# Altium PCB board_ordered.PcbDoc (part 1 of 2) (continued)
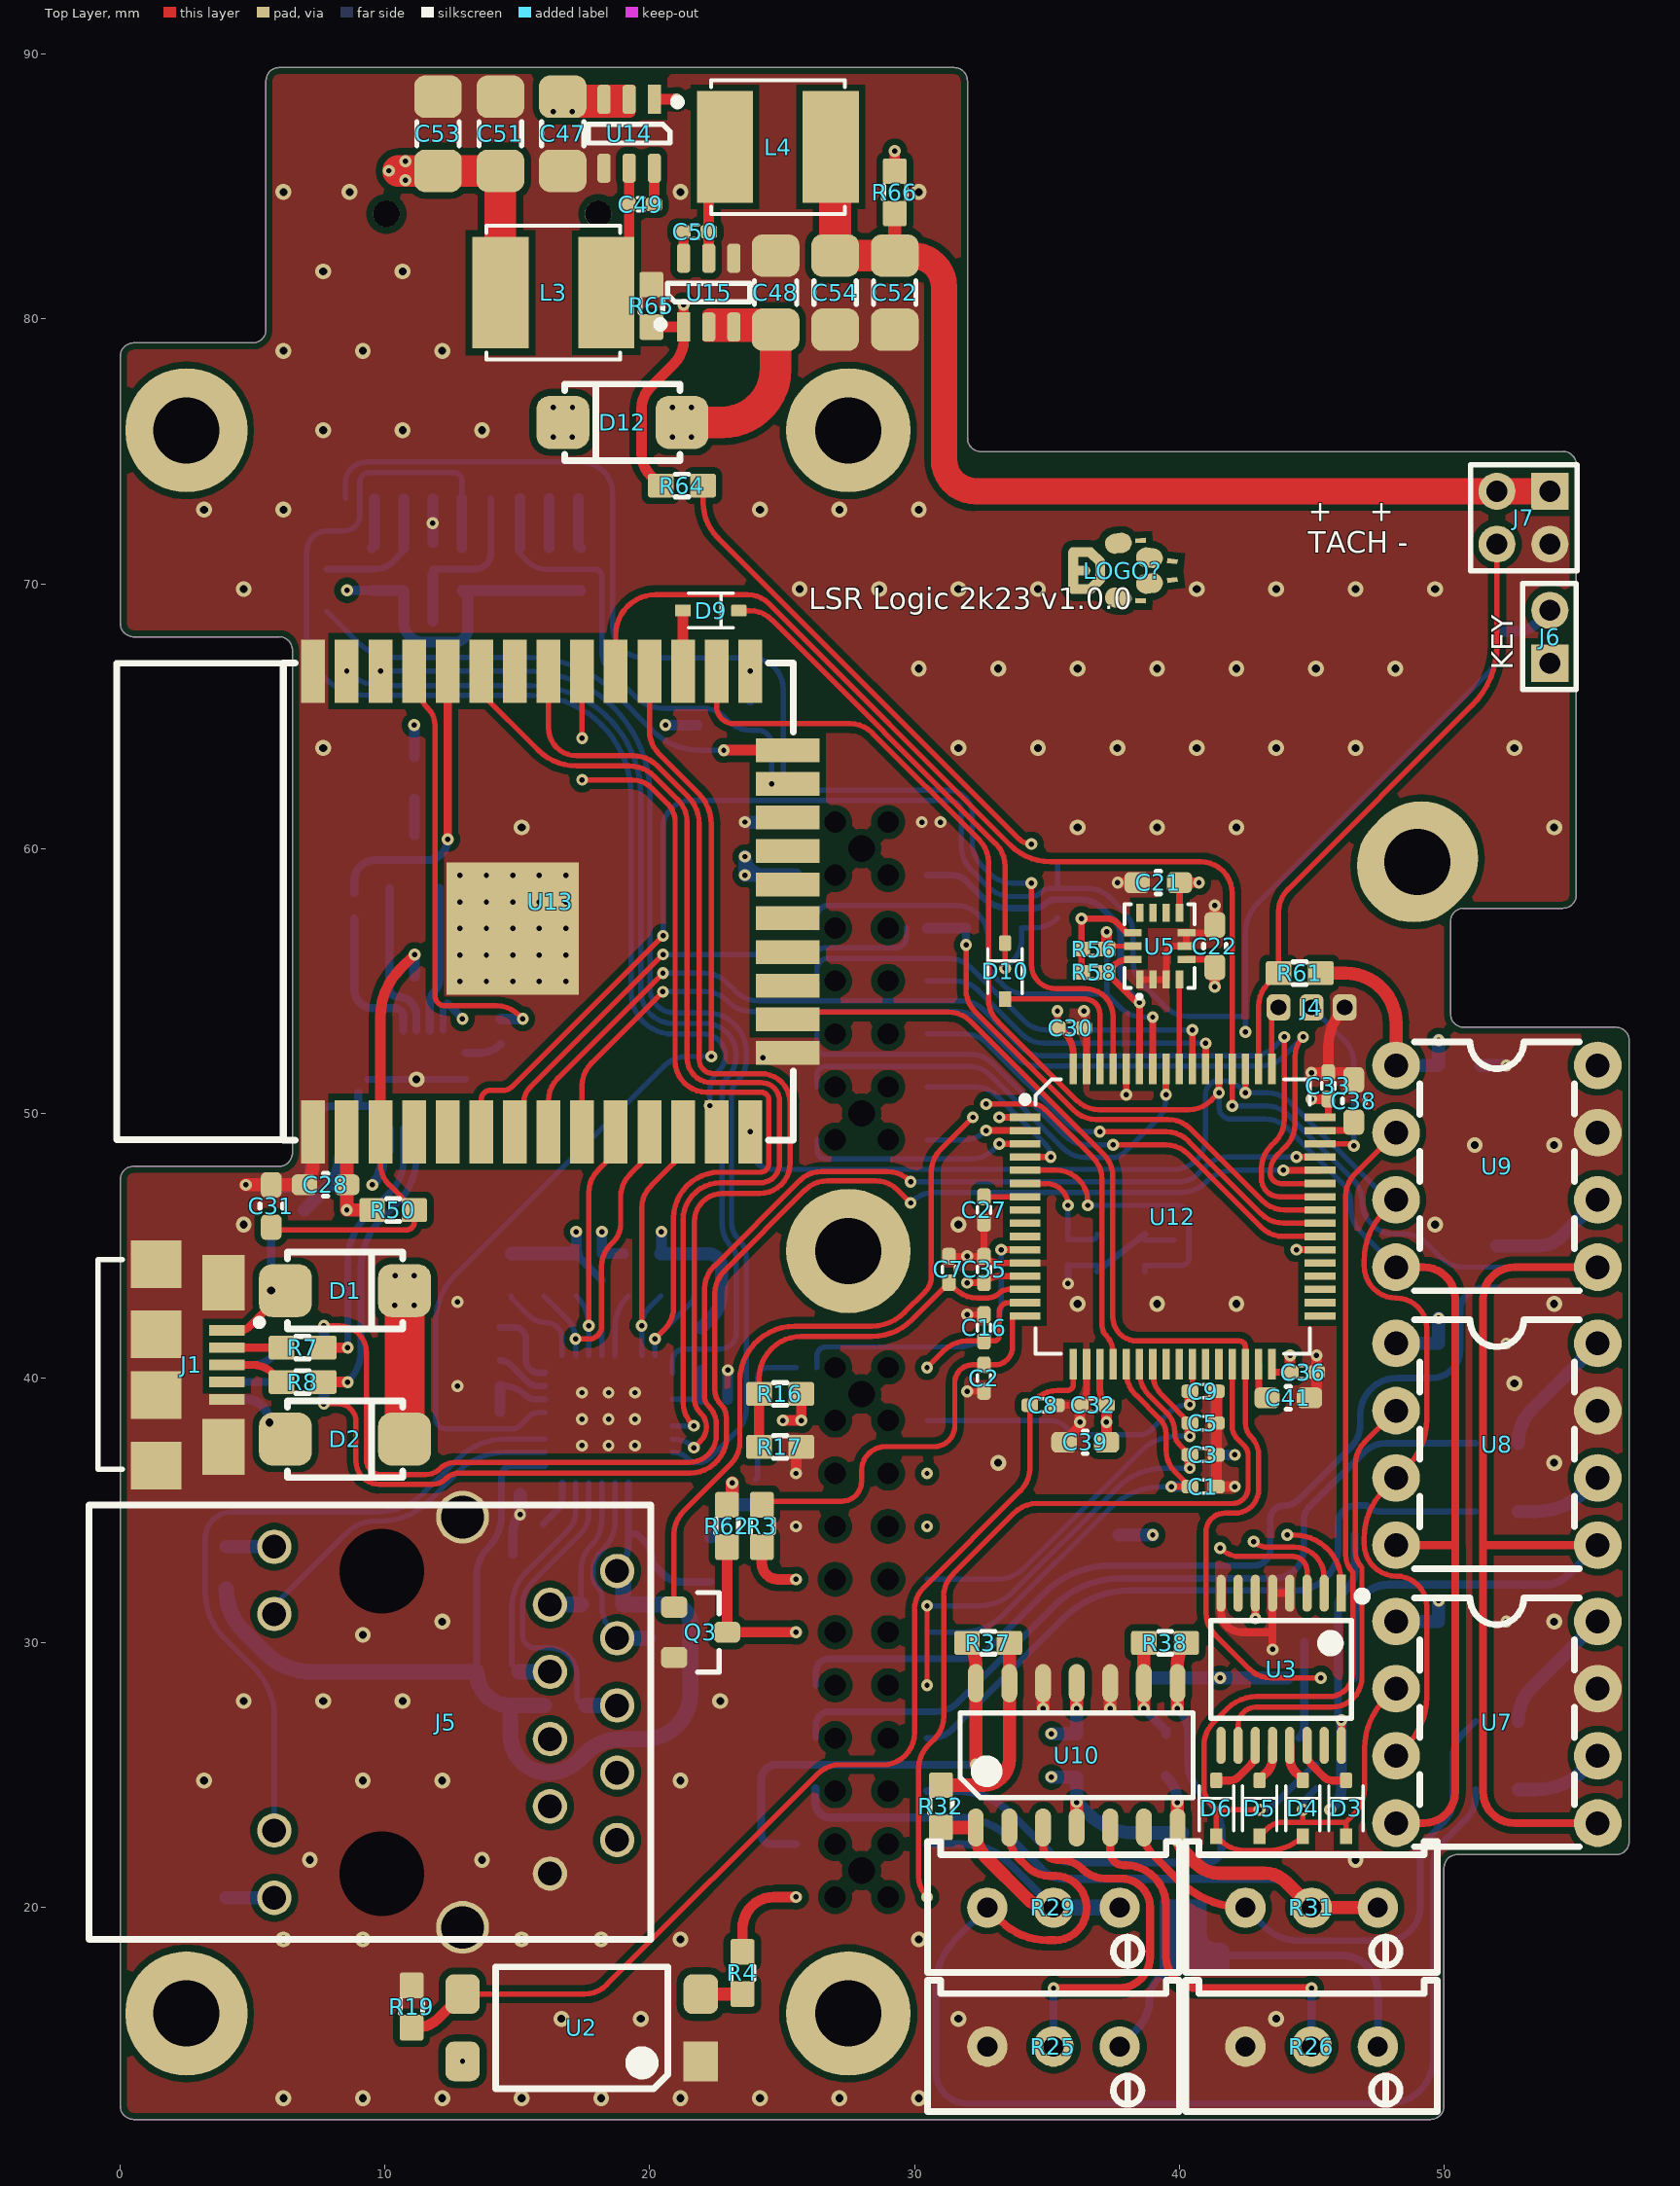
[diagram p0: Top Layer view]
## Footprints (in the part's own frame and the unit in brackets; to place one, negate y for a bottom-side part, rotate by r counter-clockwise, add the part's x,y. Pads: shape width x height; smd on the part's side, far side on the other; paste and mask are expansions set on the pad) (continued)
LOGO [mil]
  rect 15.75x7.87 smd rot 93 mask+4: ""(-44.55,100)
  oval 30x40 smd rot 8 mask+4: ""(-40.55,67)
  oval 15x39.5 smd mask+4: ""(-27.5,12.5) ""(27.5,12.5)
  oval 15x36.21 smd rot 135 mask+4: ""(-20,32.5)
  oval 30x40 smd rot 173 mask+4: ""(-18.99,113.27)
  rect 15.75x7.87 smd rot 83 mask+4: ""(-13.91,147.15)
  oval 39.5x15 smd mask+4: ""(0,40)
  oval 15x32.5 smd mask+4: ""(0,9)
  oval 70x15 smd mask+4: ""(0,0)
  rect 15.75x7.87 smd rot 97 mask+4: ""(13.91,147.15)
  oval 30x40 smd rot 7 mask+4: ""(18.99,113.27)
  oval 15x36.21 smd rot 45 mask+4: ""(20,32.5)
  oval 30x40 smd rot 172 mask+4: ""(40.55,67)
  rect 15.75x7.87 smd rot 87 mask+4: ""(44.55,100)
LQFP-64 [mil]
  rect 11x46 smd mask+0.98: 1(-147.64,-219.5) 2(-127.95,-219.5) 3(-108.27,-219.5) 4(-88.58,-219.5) 5(-68.9,-219.5) 6(-49.21,-219.5) 7(-29.53,-219.5) 8(-9.84,-219.5) 9(9.84,-219.5) 10(29.53,-219.5) 11(49.21,-219.5) 12(68.9,-219.5) 13(88.58,-219.5) 14(108.27,-219.5) 15(127.95,-219.5) 16(147.64,-219.5) 33(147.64,219.5) 34(127.95,219.5) 35(108.27,219.5) 36(88.58,219.5) 37(68.9,219.5) 38(49.21,219.5) 39(29.53,219.5) 40(9.84,219.5) 41(-9.84,219.5) 42(-29.53,219.5) 43(-49.21,219.5) 44(-68.9,219.5) 45(-88.58,219.5) 46(-108.27,219.5) 47(-127.95,219.5) 48(-147.64,219.5)
  rect 46x11 smd mask+0.98: 17(219.5,-147.64) 18(219.5,-127.95) 19(219.5,-108.27) 20(219.5,-88.58) 21(219.5,-68.9) 22(219.5,-49.21) 23(219.5,-29.53) 24(219.5,-9.84) 25(219.5,9.84) 26(219.5,29.53) 27(219.5,49.21) 28(219.5,68.9) 29(219.5,88.58) 30(219.5,108.27) 31(219.5,127.95) 32(219.5,147.64) 49(-219.5,147.64) 50(-219.5,127.95) 51(-219.5,108.27) 52(-219.5,88.58) 53(-219.5,68.9) 54(-219.5,49.21) 55(-219.5,29.53) 56(-219.5,9.84) 57(-219.5,-9.84) 58(-219.5,-29.53) 59(-219.5,-49.21) 60(-219.5,-68.9) 61(-219.5,-88.58) 62(-219.5,-108.27) 63(-219.5,-127.95) 64(-219.5,-147.64)
  silkscreen extent -204,-224 204,204, body extent -236,-236 236,236, height 59
QFN-20_L4.0-W4.0-P0.50-BL-EP2.2 [mm]
  rect 0.3x1 smd paste-100 mask+0.051: 1(-1,-1.85) 2(-0.5,-1.85) 3(0,-1.85) 4(0.5,-1.85) 5(1,-1.85) 11(1,1.85) 12(0.5,1.85) 13(0,1.85) 14(-0.5,1.85) 15(-1,1.85)
  rect 1x0.3 smd paste-100 mask+0.051: 6(1.85,-1) 7(1.85,-0.5) 8(1.85,0) 9(1.85,0.5) 10(1.85,1) 16(-1.85,1) 17(-1.85,0.5) 18(-1.85,0) 19(-1.85,-0.5) 20(-1.85,-1)
  rect 2.15x2.15 smd paste-100 mask+0.051: 21(0,0)
  silkscreen extent -2.15,-2.82 2.15,2.15, body extent -2,-2 2,2, height 0.75
QFN-32_L5.0-W5.0-P0.50-BL-EP3.3 [mm]
  oval 0.28x0.78 smd paste-100 mask+0.051: 1(-1.75,-2.408) 2(-1.25,-2.408) 3(-0.75,-2.408) 4(-0.25,-2.408) 5(0.25,-2.408) 6(0.75,-2.408) 7(1.25,-2.408) 8(1.75,-2.408) 17(1.75,2.407) 18(1.25,2.407) 19(0.75,2.407) 20(0.25,2.407) 21(-0.25,2.407) 22(-0.75,2.407) 23(-1.25,2.407) 24(-1.75,2.407)
  oval 0.78x0.28 smd paste-100 mask+0.051: 9(2.407,-1.75) 10(2.407,-1.25) 11(2.407,-0.75) 12(2.407,-0.25) 13(2.407,0.25) 14(2.407,0.75) 15(2.407,1.25) 16(2.407,1.75) 25(-2.408,1.75) 26(-2.408,1.25) 27(-2.408,0.75) 28(-2.408,0.25) 29(-2.408,-0.25) 30(-2.408,-0.75) 31(-2.408,-1.25) 32(-2.408,-1.75)
  rect 3.3x3.3 smd paste-100 mask+0.051: 33(0,0)
  silkscreen extent -2.58,-3.02 2.58,2.58, body extent -2.5,-2.5 2.5,2.5, height 0.8
R0402 [mm]
  rrect10% 0.635x0.55 smd mask+0.05: 1(-0.476,0) 2(0.476,0)
  silkscreen extent -0.12,-0.25 0.13,0.25, body extent -0.52,-0.27 0.53,0.28, height 0.4
R0603 [mil] "Chip Resistor; Body 1.6 x 0.8 mm (LxW typ)"
  rrect20% 38x35.43 smd mask+1.97: 1(-31.5,0) 2(31.5,0)
  silkscreen extent -10,-17 10,17, body extent -33,-18 33,18, height 22
R1206 [mil] "Chip Resistor"
  rrect10% 60x70 smd mask+1.97: 1(-60,0) 2(60,0)
  silkscreen extent -20,-31 20,31, body extent -65,-33 65,33, height 26
RES-ADJ-TH_3P-L10.0-W10.0-P2.50-L [mil]
  round 60 hole 30 paste-99999 mask+2: 1(-98.42,0) 2(0,0) 3(98.43,0)
  silkscreen extent -187,-98 187,96, body extent -188,-95 188,95, height 455
SMA [mm] "SMA(DO-214AC)"
  rrect50% 2x2 smd: 1(-2.25,0) 2(2.25,0)
  silkscreen extent -2.17,-1.45 2.17,1.45, body extent -2.78,-1.48 2.83,1.48, height 2.9
SMD-4 [mm]
  rect 1.5x1.3 smd mask+0.05: 1(-1.27,-4.5)
  rrect50% 1.5x1.3 smd mask+0.05: 2(1.27,-4.5) 3(1.27,4.5) 4(-1.27,4.5)
  silkscreen extent -2.3,-3.25 2.3,3.25, body extent -2.42,-5.01 2.42,5.01, height 3.9
SOD-323 [mm]
  rect 0.59x0.45 smd mask+0.05: 1(1.055,0)
  rrect30% 0.59x0.45 smd mask+0.05: 2(-1.055,0)
  silkscreen extent -0.85,-0.65 0.85,0.65, body extent -1.25,-0.63 1.25,0.62, height 0.99
SOIC-14 [mm]
  oval 0.6x1.45 smd: 1(-3.81,-2.725) 2(-2.54,-2.725) 3(-1.27,-2.725) 4(0,-2.725) 5(1.27,-2.725) 6(2.54,-2.725) 7(3.81,-2.725) 8(3.81,2.725) 9(2.54,2.725) 10(1.27,2.725) 11(0,2.725) 12(-1.27,2.725) 13(-2.54,2.725) 14(-3.81,2.725)
  silkscreen extent -4.4,-1.6 4.4,1.6, body extent -4.4,-3 4.4,3, height 1.75
SOIC-16 [mm]
  rect 0.6x1.55 smd mask+0.07: 1(-4.445,-2.7)
  oval 0.6x1.55 smd mask+0.07: 2(-3.175,-2.7) 3(-1.905,-2.7) 4(-0.635,-2.7) 5(0.635,-2.7) 6(1.905,-2.7) 7(3.175,-2.7) 8(4.445,-2.7) 9(4.445,2.7) 10(3.175,2.7) 11(1.905,2.7) 12(0.635,2.7) 13(-0.635,2.7) 14(-1.905,2.7) 15(-3.175,2.7) 16(-4.445,2.7)
  silkscreen extent -5,-1.63 5,1.62, body extent -4.95,-3 4.95,3, height 1.4
SOT-23 [mm]
  rrect50% 1x0.8 smd mask+0.05: 1(1,-0.95) 2(1,0.95) 3(-1,0)
  silkscreen extent -0.7,-1.5 0.1,1.5, body extent -1.27,-1.5 1.33,1.5, height 1.1
SOT-23-6 [mm]
  rect 0.5x1.1 smd mask+0.05: 1(-0.95,-1.3)
  rrect50% 0.5x1.1 smd mask+0.05: 2(0,-1.3) 3(0.95,-1.3) 4(0.95,1.3) 5(0,1.3) 6(-0.95,1.3)
  silkscreen extent -1.95,-1.32 1.55,0.35, body extent -1.45,-1.3 1.45,1.3, height 1.14
TF-SMD_TF-01A [mm]
  rect 0.6x1.3 smd: 1(2.301,5.276) 2(1.201,5.276) 3(0.101,5.276) 4(-0.999,5.276) 5(-2.099,5.276) 6(-3.199,5.276) 7(-4.299,5.276) 8(-5.399,5.276) 9(-6.499,5.276)
  rect 1.2x1.4 smd: 10(-7.599,4.426) 13(7.081,4.426)
  rect 1.2x2 smd: 11(-7.76,-5.276) 12(7.76,-5.276)
  round 1 hole 1 unplated: ""(-4.95,-5.478) ""(3.05,-5.476)
  silkscreen extent -7.37,-9.56 7.37,4.97, body extent -7.5,-9.5 7.5,5, height 2
TSSOP-16 [mm]
  rect 1.4x0.35 smd: 1(-2.875,2.275)
  oval 1.4x0.35 smd: 2(-2.875,1.625) 3(-2.875,0.975) 4(-2.875,0.325) 5(-2.875,-0.325) 6(-2.875,-0.975) 7(-2.875,-1.625) 8(-2.875,-2.275) 9(2.875,-2.275) 10(2.875,-1.625) 11(2.875,-0.975) 12(2.875,-0.325) 13(2.875,0.325) 14(2.875,0.975) 15(2.875,1.625) 16(2.875,2.275)
  silkscreen extent -2.89,-2.65 1.85,3.18, body extent -3.34,-2.5 3.06,2.5, height 1.21
WIFIM-SMD_39P-L25.5-W18.0-P1.27 [mm]
  rect 2.4x0.9 smd paste+0 mask+0.051: 1(-8.7,8.965) 2(-8.7,7.695) 3(-8.7,6.425) 4(-8.7,5.155) 5(-8.7,3.885) 6(-8.7,2.615) 7(-8.7,1.345) 8(-8.7,0.075) 9(-8.7,-1.195) 10(-8.7,-2.465) 11(-8.7,-3.735) 12(-8.7,-5.005) 13(-8.7,-6.275) 14(-8.7,-7.545) 25(8.7,-7.545) 26(8.7,-6.275) 27(8.7,-5.005) 28(8.7,-3.735) 29(8.7,-2.465) 30(8.7,-1.195) 31(8.7,0.075) 32(8.7,1.345) 33(8.7,2.615) 34(8.7,3.885) 35(8.7,5.155) 36(8.7,6.425) 37(8.7,7.695) 38(8.7,8.965)
  rect 0.9x2.4 smd paste+0 mask+0.051: 15(-5.715,-8.965) 16(-4.445,-8.965) 17(-3.175,-8.965) 18(-1.905,-8.965) 19(-0.635,-8.965) 20(0.635,-8.965) 21(1.905,-8.965) 22(3.175,-8.965) 23(4.445,-8.965) 24(5.715,-8.965)
  rect 5x5 smd paste+0 mask+0.051: 39(-1.017,1.422)
  silkscreen extent -9.02,-9.17 9.02,16.39, body extent -9.05,-9.07 9.03,16.47, height 3

## Part data
C1 C2 C3 C4 C5 C6 C7 C8 C9 C10 C15 C16 C18 C23 C24 C27 C28 C30 C31 C32 C33 C35 C36 C37 C38 C39 C40 C41 C42 C43 C44 C45 C46: library part Cap
C11 C12: library part CAP, "1u 0805"
C13 C14 C17 C19 C20 C21 C22: library part CAP
C25 C26: library part CAP, "18pF 50V 0402", LCSC part number=C33149, P/N=GRM1555C1H180JA01D
C29 C34: library part Cap, "10u 0603"
C47 C48 C51 C52 C53 C54: library part CAP, "10uf 50V 1206", LCSC part number=C89632, P/N=CL31B106KBHNNNE
C49 C50: library part CAP, LCSC part number=C131394, P/N=CC0402KRX7R9BB104
D1 D2 D3 D4 D5 D6 D8 D9 D10 D11 D12: library part US1M-13-F
D7: library part BAT54C_C727125, LCSC part number=C727125, P/N=BAT54C
J4: library part "Header 3"
J6 J7: library part "Header 2"
J8: library part "HDR 2X11"
J9: library part "HDR 2X7"
L1 L2: library part BLM18AG601SN1D
L3 L4: library part SRN3015-100M, "3.9uH 2A", LCSC part number=C115009, P/N=SWPA5020S3R9NT
Q1 Q2 Q3: library part MMBT2222ALT1G, "PDTC143XT,215", LCSC part number=C183011, P/N=PDTC143XT,215
R1 R6 R11 R14 R15 R39 R40 R41 R42 R43 R44 R45 R46: library part RES_0402_1K5-1%
R2 R12 R18 R21: library part RES, "10k 1% 0402", LCSC part number=C60490, P/N=RC0402FR-0710KL
R3 R4 R7 R8 R9 R10 R13 R16 R17 R19 R22 R23 R24 R27 R30 R32 R33 R34 R35 R36 R37 R38 R47 R52 R56 R58 R59 R60 R61 R62 R63: library part RES
R5: library part RES_0402_1K5-1%, "10k 0603"
R20 R28 R48 R49: library part RES, "220 0603"
R25 R26 R29 R31: library part 10kΩ
R50: library part RES, "1k 0603"
R51: library part RES, "12k1 0603"
R53 R54 R55 R57: library part RES, "49.9 0603"
R64: library part RES, "1k 0603", LCSC part number=C22548, P/N=RC0603FR-071KL
R65: library part R0402_Dup1, "100k 0603"
R66: library part RES, "6k8 0603", LCSC part number=C114632, P/N=RC0603FR-076K8L
U2: library part PC817C_C3025164
U5: LCSC part number=C967633, P/N=LSM6DS3TR-C
U6: library part NCP51460SN33T1G, "LM4040C20IDBZR"
U12: "MCU STM32F405RGT6", P/N=STM32F405RGT6
U14 U15: LCSC part number=C780769, P/N=AP63203WU-7
X1: library part "CRYSTAL 12MHZ 3.20mm x 2.50mm", "CRYSTAL 12MHZ 10PF SMD", LCSC part number=C284155, P/N=TXM12M0004252FBCEO00T

## Free pads (board coordinates)
  oval 4.6x4.7 hole 2.5: M(2.5,16) M(2.5,75.8)
  round 4.7 hole 2.5: M(27.5,16) M(27.5,44.8) M(27.5,75.8)
  oval 4.7x4.3 hole 2.5 rot 45: M(49,59.5)

## Via types
v1: diameter 0.45, hole 0.2, Top Layer to Bottom Layer, tented both sides, 205 vias
v2: diameter 0.6, hole 0.3, Top Layer to Bottom Layer, tented both sides, 94 vias

## Nets (pads, with @x,y where several pads share a name; then routed paths per layer and width w, separated by ;. In a path a pad name is that pad's centre, name@x,y a point inside that pad or via, vN(x,y) a via of type N, cw(c..) or ccw(c..) an arc to the next point about the centre after c; other vN are vias at no path point)
2.048V: C18.2 R22.2 R25.1 R26.1 U6.1 | length 13.2
  Bottom Layer w0.3: R25.1@37.75,14.75 38.375,15.375 ccw(c37.139,16.612) 38.887,16.612 cw(c39.844,16.612) 39.167,17.288 U6.1@39.899,18.019 ; C18.2@41.274,18.029 41.434,18.189 46.146,18.189 cw(c46.146,16.835) 47.5,16.835 R26.1@47.5,14.75
  Bottom Layer w0.6: U6.1@39.899,18.019 cw(c39.922,17.995) U6.1@39.922,18.029
3V3: C13.2 C14.2 C17.2 C19.2 C21.1 C22.1 C28.2 C29.2 C30.2 C32.2 C33.2 C35.2 C36.2 C39.2 C44.2 C51.2 C53.2 J6.1 J9.4 L1.1 L2.2 L3.2 R1.2 R2.1 R5.2 R6.2 R11.2 R12.1 R14.2 R15.2 R18.1 R21.2 R23.1 R24.1 R39.2 R41.2 R43.2 R45.2 R46.2 R47.1 R50.1 R52.1 R56.2 R58.2 R61.2 R62.2 U1.3 U1.4 U1.5 U1.6 U1.7 U1.9 U1.10 U1.16 U2.4 U3.6 U3.16 U5.5 U5.8 U5.12 U7.1 U8.1 U9.1 U11.12 U12.1 U12.13 U12.19 U12.32 U12.48 U12.64 U13.2 U14.1 | length 103.2
  Top Layer w0.25: v1(31.989,43.6) C35.2@32.624,43.6 cw(c33.228,42.996) 33.228,43.85 U12.13@34.124,43.85 ; v1(33.203,49.85) U12.1@34.174,49.85 ; C30.2@35.398,53.225 v1(35.398,53.86) ; C30.2@35.5,53.225 C30.2@35.649,53.076 ; C30.2@35.65,53.075 cw(c34.805,52.232) 35.999,52.232 U12.64@35.999,51.675 ; R58.2@36.306,55.326 R56.2@36.306,56.201 v1(36.306,57.353) 37.286,57.353 cw(c37.286,56.86) 37.635,57.209 38.027,56.817 U5.12@38.246,56.817 ; U12.19@37,40.474 37,39.578 ccw(c37.853,39.578) C32.2@37.25,38.974 ; U5.8@40.008,57.579 C21.1@40.008,58.715 ; U5.5@40.271,55.817 41.343,55.817 C22.1@41.343,55.517 ; U12.32@43.499,40.525 43.5,40.221 C36.2@44.187,40.221 ; U12.48@45.325,49.85 45.628,49.85 C33.2@45.628,50.537
  Top Layer w0.3: v1(42.875,30.921) U3.6@42.875,31.875 ; U3.16@46.125,26.125 v1(46.125,27.079)
  Top Layer w0.4: U14.1@20.171,88.3 v1(21.009,88.3) ; C39.2@37.25,37.577 v1(37.25,38.339) C32.2@37.25,38.974 ; C21.1@40.008,58.715 v1(40.745,58.715) ; v1(41.343,54.78) C22.1@41.343,55.517 ; C36.2@44.187,40.221 v1(44.187,40.856) ; v1(44.993,50.537) C33.2@45.628,50.537
  Top Layer w0.5: U13.2@8.555,49.3 C28.2@8.555,47.3 v1(8.555,46.346) R50.1@9.509,46.346 ; R62.2@23.118,35.215 v1(23.118,36.043) ; R61.2@45.35,55.296 46.277,55.296 cw(c46.277,53.382) 48.19,53.382 U9.1@48.19,51.81
  Top Layer w1.2: 10.505,85.6 C53.2@12,85.6 C51.2@14.358,85.6 L3.2@14.358,81
  Bottom Layer w0.2: U11.12@18.192,40.858 C44.2@18.192,43.567
  Bottom Layer w0.3: R43.2@17.221,44.704 ccw(c17.296,44.704) 17.243,44.651 C44.2@18.192,43.702 ; C14.2@46.125,26.325 C14.2@46.125,26.402 ; v1(46.125,27.079) cw(c46.427,27.381) 46,27.381 46,31.417 cw(c46.683,31.417) 46.2,31.9 46.351,32.051 ccw(c45.703,32.7) 46.62,32.7 U1.16@46.62,34.077
  Bottom Layer w0.35: v1(8.566,69.754) R14.2@9.475,69.754 R14.2@9.501,69.754
  Bottom Layer w0.4: R14.2@9.501,69.754 R15.2@10.701,69.754 10.701,68.555 ccw(c11.455,68.555) 11.455,67.8 12.621,67.8 ccw(c12.621,68.311) 13.131,68.311 13.131,69.523 R1.2@12.901,69.754 R5.2@15.001,69.754 R6.2@16.201,69.754 R11.2@17.401,69.754 ; R43.2@17.221,44.704 v1(17.221,45.528) ; R46.2@20.44,44.702 v1(20.44,45.528) ; R2.1@41.352,35.9 R12.1@41.352,37.1 ; R21.2@41.352,39.5 R18.1@41.352,38.3 R12.1@41.352,37.1 ; v1(42.1,37.1) R12.1@41.352,37.1 ; v1(45.7,23.7) 45.86,23.86 ccw(c45.219,24.5) R23.1@46.125,24.5 R24.1@46.125,25.4 C14.2@46.125,26.325 ; C14.2@46.125,26.402 v1(46.125,27.079)
  Bottom Layer w0.5: R39.2@14.77,44.704 R41.2@15.996,44.704 R43.2@17.221,44.704 ; R46.2@20.423,44.702 20.44,44.702 R45.2@21.665,44.702 22.186,44.702 cw(c22.186,44.181) 22.708,44.181 22.708,43.2 cw(c21.407,43.2) 22.327,42.282 R52.1@21.946,41.9 ; L2.2@22.3,34.011 22.504,34.215 ccw(c21.504,35.215) C29.2@22.918,35.215 C29.2@23.118,35.215 ; v1(23.118,36.043) C29.2@23.118,35.215 ; v1(23.597,58.998) v1@23.597,59 ; R47.1@24,35.215 C29.2@23.118,35.215 ; J9.4@25.525,59 24.294,59 ; U1.9@37.73,34.077 v1(39,34.077) ; U1.7@39,28.677 U1.6@40.27,28.677 v1(41.54,28.677) U1.4@42.81,28.677 U1.3@44.08,28.677 ; U7.1@48.19,30.81 C19.2@49.8,30.81 v1(49.8,31.586) ; U8.1@48.19,41.31 C17.2@49.8,41.31 v1(49.8,42.264) ; U9.1@48.19,51.81 C13.2@49.8,51.81 v1(49.8,52.764) ; v1@23.597,59 v1(23.597,59.698) ccw(c24.294,59.698) 24.294,59 ; v1@23.597,59 24.294,59
  other v1: 12.928,14.192 10.77,85.242 10.146,85.603 10.77,85.963
+15V: C11.2 J8.5 R22.1 U10.4 | length 24.3
  Top Layer w0.5: U10.4@36.124,23.025 v1(36.124,23.979)
  Mid Layer 1 w0.5: v1(30.475,36.4) 29.814,35.739 cw(c29.237,36.315) 29.237,35.5 29.05,35.5 ccw(c29.05,34.45) 28,34.45 28,34.4 ccw(c29,34.4) 29,33.4 30.505,33.4 cw(c30.505,32.206) 31.349,33.051 ; 31.35,33.05 32.815,31.585 ; 32.816,31.584 cw(c31.971,30.741) 33.165,30.741 33.165,27.432 ccw(c34.359,27.432) 33.515,26.588 v1(35.17,24.933)
  Bottom Layer w0.5: v1(35.17,24.933) C11.2@36.124,24.933 v1(36.124,23.979) 36.538,23.565 ccw(c38.326,25.353) 38.326,22.824 R22.1@40.125,22.824
+24V: C48.2 D12.1 J8.4 R16.1 U15.2 U15.3 | length 49.2
  Top Layer w0.4: v1(25.025,38.4) v1(25.725,38.4) R16.1@25.725,39.4
  Top Layer w1.2: D12.1@21.215,76.098 22.735,76.098 ccw(c22.735,78.116) 24.752,78.116 C48.2@24.752,79.6
  Mid Layer 2 w1.2: 21.215,76.497 21.215,75.54 21.215,69.451 cw(c18.834,69.451) 20.518,67.768 19.366,66.617 ccw(c20.855,65.128) 18.75,65.128 18.75,50.697 ccw(c22.204,50.697) 19.762,48.255 23.206,44.81 cw(c20.928,42.532) 24.15,42.532 24.15,40.41 ccw(c26.046,40.41) 24.705,39.07 25.375,38.4
  other v1: 20.85,75.54 21.571,75.54 20.859,76.657 21.58,76.657
-15V: C12.1 J8.7 U10.11 | length 13.1
  Top Layer w0.5: v1(36.124,27.521) U10.11@36.124,28.475
  Mid Layer 1 w0.5: v1(30.475,34.4) 30.705,34.4 cw(c30.705,33.206) 31.549,34.051 ; 31.55,34.05 33.75,31.85 ; 33.751,31.849 cw(c32.906,31.006) 34.1,31.006 34.1,27.637 ccw(c35.17,27.637) v1(35.17,26.567)
  Bottom Layer w0.5: v1(35.17,26.567) C12.1@36.124,26.567 v1(36.124,27.521)
-24V: J8.22 R4.1 | length 3.6
  Top Layer w0.4: R4.1@23.5,18.333 23.5,19.206 cw(c24.694,19.206) 24.694,20.4 v1(25.525,20.4)
BTN0: J9.13 U12.2 | length 3.8
  Top Layer w0.25: v1(32.703,49.35) U12.2@34.174,49.35
  Bottom Layer w0.2: J9.13@30.475,49 31.858,49 ccw(c31.858,50.194) v1@32.702,49.349
BTN1: J9.11 U12.4 | length 6.8
  Top Layer w0.25: U12.4@34.174,48.35 v1(35.145,48.35)
  Bottom Layer w0.2: J9.11@30.475,51 32.275,51 cw(c32.275,49.806) 33.118,50.651 34.95,48.819 ; 34.951,48.819 cw(c34.481,48.35) v1(35.145,48.35)
BTN2: J9.14 U12.3 | length 8.6
  Top Layer w0.25: v1(33.203,48.85) U12.3@34.174,48.85
  Bottom Layer w0.2: J9.14@26.323,49.023 26.323,48.599 ccw(c26.647,48.599) 26.647,48.275 32.133,48.275 ccw(c32.133,49.469) 32.977,48.624 ; 32.978,48.625 v1(33.203,48.85)
BTN3: J9.8 U12.55 | length 17.3
  Top Layer w0.25: U12.55@40.499,51.675 v1(40.499,53.145)
  Bottom Layer w0.2: J9.8@26.312,55 26.312,55.425 cw(c26.737,55.425) 26.737,55.85 31.292,55.85 cw(c31.292,54.656) 32.135,55.501 ; 32.136,55.5 34.142,53.495 ; 34.142,53.494 ccw(c34.986,54.339) 34.986,53.145 v1(40.499,53.145)
BTN4: J9.7 U12.54 | length 12.4
  Top Layer w0.25: U12.54@40.998,51.675 v1(40.998,52.646)
  Bottom Layer w0.2: J9.7@30.475,55 31.556,55 cw(c31.556,53.806) 32.4,54.651 ; 32.4,54.65 34.055,52.996 ccw(c34.899,53.84) 34.899,52.646 v1(40.998,52.646)
BTN5: J9.12 U12.57 | length 17.4
  Top Layer w0.25: v1(39.499,50.704) U12.57@39.499,51.675
  Bottom Layer w0.2: J9.12@26.312,51 26.312,51.437 cw(c26.653,51.437) 26.653,51.777 32.031,51.777 cw(c32.031,50.583) 32.874,51.429 35.625,48.677 ; 35.626,48.677 ccw(c36.469,49.522) 36.469,48.328 37.465,48.328 ccw(c37.465,48.978) 37.924,48.518 39.149,49.743 ; 39.15,49.744 ccw(c38.305,50.587) 39.499,50.587 v1(39.499,50.704)
BTN6: J9.9 U12.40 | length 17.6
  Top Layer w0.2: v1(36.999,49.307) 39.501,49.307 cw(c39.501,48.113) 40.345,48.958 ; 40.346,48.957 43.104,46.199 ; 43.104,46.199 ccw(c43.948,47.044) 43.948,45.85 U12.40@45.324,45.85
  Bottom Layer w0.2: J9.9@30.475,53 31.894,53 cw(c31.894,51.806) 32.737,52.651 ; 32.738,52.65 35.757,49.631 ccw(c36.54,50.414) 36.54,49.307 v1(36.999,49.307)
BTN7: J9.10 U12.39 | length 22.3
  Top Layer w0.2: v1(37.498,48.808) 39.491,48.808 cw(c39.491,47.614) 40.334,48.459 ; 40.335,48.458 43.094,45.699 ; 43.095,45.699 ccw(c43.938,46.544) 43.938,45.35 U12.39@45.324,45.35
  Bottom Layer w0.2: J9.10@26.312,53 26.312,52.559 ccw(c26.639,52.559) 26.639,52.232 32.109,52.232 cw(c32.109,51.038) 32.953,51.883 ; 32.953,51.883 35.679,49.157 ; 35.679,49.157 ccw(c36.523,50.002) 36.523,48.808 v1(37.498,48.808)
COL: R46.1 U11.15 U13.12 | length 10.4
  Top Layer w0.2: v1(19.692,41.981) 19.692,46.409 cw(c20.886,46.409) 20.042,47.253 20.905,48.116 ccw(c20.061,48.96) 21.255,48.96 U13.12@21.255,49.3
  Bottom Layer w0.2: U11.15@19.692,40.858 v1(19.692,41.981) cw(c20.636,41.981) 19.969,42.648 R46.1@20.423,43.102
DCDC_FAULT: J8.2 R47.2 U12.11 | length 17
  Top Layer w0.25: v1(33.278,44.85) U12.11@34.174,44.85
  Bottom Layer w0.2: R47.2@24,36.167 24.076,36.244 24.076,40.028 cw(c24.449,40.028) 24.449,40.4 J8.2@25.525,40.4 ; J8.2@26.312,40.4 26.312,40.837 cw(c26.653,40.837) 26.653,41.177 31.651,41.177 ccw(c31.651,42.804) 33.278,42.804 v1(33.278,44.85)
DM: R9.2 U12.44 | length 50.3
  Top Layer w0.2: v1(7.687,39.024) 8.225,39.028 cw(c8.235,38.363) 8.9,38.363 8.9,36.873 ccw(c9.785,36.873) 9.785,35.989 11.788,35.989 ccw(c11.788,36.715) 12.301,36.201 ; 12.301,36.201 cw(c12.815,35.688) 12.815,36.414 21.512,36.414 ccw(c21.512,37.811) 22.893,37.599 22.893,38.506 ccw(c22.174,38.506) 22.682,39.014 cw(c23.22,39.553) 22.459,39.553 22.459,43.199 cw(c23.653,43.199) 22.809,44.043 25.871,47.106 cw(c26.715,46.261) 26.715,47.455 28.517,47.455 cw(c28.517,46.261) 29.36,47.107 ; 29.361,47.106 v1(29.851,46.616)
  Top Layer w0.25: v1(43.929,47.85) U12.44@45.324,47.85
  Bottom Layer w0.2: v1(29.851,46.616) v1@29.899,46.664 ; v1@29.9,46.665 cw(c30.743,45.82) 30.743,47.013 40.065,47.013 ccw(c40.065,48.344) 41.006,47.403 cw(c42.084,46.325) 42.084,47.85 v1(43.929,47.85)
  Bottom Layer w0.4: v1(7.687,39.024) R9.2@7.687,39.85
DP: R10.2 U12.45 | length 52.6
  Top Layer w0.2: v1(7.687,41.976) 8.276,41.976 cw(c8.276,40.953) 9.3,40.953 9.3,36.9 ccw(c9.845,36.9) 9.845,36.355 11.53,36.355 ccw(c11.53,37.139) 12.084,36.584 cw(c12.639,36.03) 12.639,36.814 21.478,36.814 ccw(c21.478,37.85) 22.514,37.85 22.514,38.24 ccw(c21.527,38.24) 22.225,38.938 cw(c22.603,39.316) 22.068,39.316 22.068,43.374 cw(c23.262,43.374) 22.418,44.218 25.656,47.456 ; 25.657,47.457 cw(c26.5,46.612) 26.5,47.806 28.967,47.806 cw(c28.967,46.612) v1@29.81,47.457 ; v1@29.811,47.456 v1(29.851,47.416)
  Top Layer w0.25: v1(44.429,48.35) U12.45@45.324,48.35
  Bottom Layer w0.2: v1(29.851,47.416) 40,47.416 ccw(c40,48.42) 40.71,47.71 41,48 cw(c41.844,47.156) 41.844,48.35 v1(44.429,48.35)
  Bottom Layer w0.4: R10.2@7.687,41.15 v1(7.687,41.976)
EMCY_BTN: D8.1 J9.5 U12.41 U13.7 | length 39.5
  Top Layer w0.2: U13.7@14.905,49.3 ccw(c14.087,50.118) 15.244,50.118 15.244,50.425 cw(c16.014,50.425) 15.469,50.969 v1(20.5,56) ; v1(31.945,56.365) 31.945,54.681 ccw(c33.139,54.681) 32.294,53.838 36.009,50.122 ; 36.01,50.122 ccw(c36.853,50.967) 36.853,49.773 39.57,49.773 cw(c39.57,48.579) 40.413,49.424 ; 40.414,49.423 43.137,46.699 ; 43.138,46.699 ccw(c43.982,47.544) 43.982,46.35 U12.41@45.324,46.35
  Bottom Layer w0.2: v1(20.5,56) 26.063,56 ccw(c26.063,56.284) 26.264,56.083 cw(c26.691,55.656) 26.691,56.26 29.318,56.26 ccw(c29.318,56.63) 29.688,56.63 J9.5@29.688,57
  Bottom Layer w0.3: v1(31.945,56.365) D8.1@31.945,57
  Bottom Layer w0.4: J9.5@30.475,57 D8.1@31.945,57
ESP_EN: C31.2 Q1.3 R50.2 U13.3 | length 17.5
  Top Layer w0.2: C31.2@5.7,45.7 5.7,45.6 10.8,45.6 ccw(c10.8,45.909) 11.109,45.909 R50.2@11.109,46.346 10.145,47.31 cw(c10.917,48.083) 9.825,48.083 U13.3@9.825,49.3
  Top Layer w0.4: U13.3@9.825,49.3 9.825,53.652 cw(c12.365,53.652) 10.569,55.448 v1(11.116,55.995)
  Bottom Layer w0.4: Q1.3@11.116,55.168 v1(11.116,55.995)
ESP_PRG: D7.3 R28.2 | length 11.9
  Mid Layer 1 w0.2: v1(11.102,64.665) v1(20.592,64.665)
  Bottom Layer w0.4: R28.2@11.102,63.462 v1(11.102,64.665) ; v1(20.592,64.665) D7.3@21.795,64.665
ESP_RXD: R49.1 U4.17 | length 5.6
  Bottom Layer w0.3: R49.1@8.837,57.365 8.837,54.672 ccw(c9.534,54.672) 9.534,53.975 10.363,53.975 cw(c10.363,53.651) 10.687,53.651 U4.17@10.687,53.132
ESP_TXD: R48.1 U4.1 | length 1.4
  Bottom Layer w0.3: U4.1@13.038,52.282 13.575,52.282 ccw(c13.575,53.415) R48.1@14.376,52.614
FAN_ADJ: R64.1 U12.20 | length 42
  Top Layer w0.2: R64.1@22.015,73.711 22.015,73.069 ccw(c23.874,73.069) 22.56,71.754 33.946,60.368 ccw(c34.417,60.838) v1(34.417,60.173) ; v1(32.703,50.349) 34.454,50.349 cw(c34.454,49.694) 34.917,50.158 ; 34.917,50.157 36.734,48.34 ; 36.735,48.339 cw(c35.89,47.496) 37.084,47.496 37.084,41.973 ccw(c37.604,41.973) 37.236,41.605 cw(c36.603,40.971) 37.499,40.971 U12.20@37.499,40.525
  Mid Layer 2 w0.2: v1(32.703,50.349) 33.588,51.234 ; 33.589,51.235 ccw(c32.744,52.078) 33.938,52.078 33.938,59.199 cw(c35.131,59.199) 34.287,60.043 v1(34.417,60.173)
FAN_TACH: J7.4 R61.1 U12.50 | length 23.3
  Top Layer w0.2: U12.50@42.999,51.675 42.999,54.05 cw(c44.193,54.05) 43.348,54.893 R61.1@43.75,55.296 43.75,57.606 cw(c44.944,57.606) 44.1,58.45 51.074,65.424 ccw(c48.84,67.659) 52,67.659 J7.4@52,71.5
GALVO_PWR_EN: J8.21 U12.29 | length 30.1
  Top Layer w0.2: v1(30.475,20.4) cw(c31.235,21.16) 30.16,21.16 30.16,25.28 cw(c31.354,25.28) 30.509,26.123 ; 30.51,26.124 30.75,26.365 ; 30.751,26.366 ccw(c29.906,27.209) 31.1,27.209 31.1,31.75 cw(c32.294,31.75) 31.449,32.594 ; 31.45,32.594 33.767,34.912 ; 33.768,34.912 cw(c34.611,34.067) 34.611,35.261 42.008,35.261 ccw(c42.008,35.853) 42.6,35.853 42.6,37.1 ccw(c42.117,37.1) 42.459,37.441 42.2,37.7 cw(c42.684,38.184) 42,38.184 U12.29@42,40.525
GND: C1.1 C2.1 C3.1 C4.1 C5.1 C6.1 C7.1 C8.1 C9.1 C10.1 C11.1 C12.2 C13.1 C14.1 C15.1 C16.1 C17.1 C18.1 C19.1 C20.1 C21.2 C22.2 C23.1 C24.1 C25.1 C26.1 C27.1 C28.1 C29.1 C30.1 C31.1 C32.1 C33.1 C34.1 C35.1 C36.1 C37.1 C38.1 C39.1 C40.1 C41.1 C42.1 C43.1 C44.1 C45.1 C46.1 C47.1 C48.1 C51.1 C52.1 C53.1 C54.1 J1.5 J1.6 J2.5 J2.6 J3.6 J3.10 J3.11 J3.12 J3.13 J4.3 J5.10 J5.15 J7.2 J8.6 J8.8 J9.1 J9.2 Q3.2 R17.2 R19.2 R25.3 R26.3 R40.1 R42.1 R44.1 R51.2 R60.2 R63.1 R65.2 U1.8 U2.1 U3.4 U3.5 U3.8 U4.3 U4.13 U4.21 U5.1 U5.2 U5.3 U5.6 U5.7 U6.2 U6.3 U7.7 U8.7 U9.7 U10.10 U10.12 U11.24 U11.25 U11.33 U12.12 U12.18 U12.60 U12.63 U13.1 U13.15 U13.38 U13.39 U14.4 U15.4 X1.2 X1.4 | length 67
  Top Layer w0.25: C7.1@31.3,44.6 v1(31.989,44.6) C35.1@32.624,44.6 ; v1(31.989,39.5) C2.1@32.624,39.5 ; v1(31.989,42.4) C16.1@32.624,42.4 ; C27.1@32.624,45.85 C35.1@32.624,44.6 ; U12.12@34.124,44.35 33.228,44.35 cw(c33.228,45.203) C35.1@32.624,44.6 ; C8.1@35.354,38.974 C32.1@36.25,38.974 ccw(c35.646,39.578) 36.5,39.578 U12.18@36.5,40.474 ; C30.1@36.398,53.225 v1(36.398,53.86) ; U12.63@36.5,51.726 C30.1@36.5,53.225 ; v1(37.999,50.704) U12.60@37.999,51.675 ; U5.1@38.508,55.055 U5.2@39.008,55.055 U5.3@39.508,55.055 39.508,55.982 ; 39.508,56.007 39.508,55.982 ; C22.2@41.343,57.117 41.343,56.817 U5.7@40.271,56.817 U5.6@40.271,56.317 39.844,56.317 ccw(c39.844,55.982) 39.508,55.982
  Top Layer w0.3: U3.8@41.575,31.875 41.575,31.184 ccw(c42.355,31.184) 42.355,30.404 43.525,30.404 ; v1(43.525,29.752) 43.525,30.404 ; U3.4@44.175,31.875 U3.5@43.525,31.875 43.525,30.404
  Top Layer w0.4: v1(25.525,36.4) 25.525,37.2 R17.2@25.725,37.4 ; C39.1@35.649,37.577 36.135,38.063 ; 36.135,38.063 ccw(c35.859,38.339) v1(36.25,38.339) C32.1@36.25,38.974 ; v1(37.672,58.715) C21.2@38.408,58.715 ; C22.2@41.343,57.117 v1(41.343,57.854) ; C9.1@41.4,39.5 C1.1@41.4,35.9 v1(42.1,35.9) ; C41.1@44.917,39.256 45.187,39.526 v1(45.187,40.856) ; v1(44.993,51.537) C33.1@45.628,51.537 ; J4.3@46.25,54 ccw(c47.751,52.499) 45.628,52.499 C33.1@45.628,51.537 ; C38.1@46.593,51.267 46.323,51.537 C33.1@45.628,51.537
  Top Layer w0.5: v1(4.746,47.3) C31.1@5.7,47.3 C28.1@6.955,47.3 ccw(c6.158,48.097) 7.285,48.097 U13.1@7.285,49.3 ; v1(34.854,27.521) U10.12@34.854,28.475 ; v1(37.394,27.521) U10.10@37.394,28.475
  Bottom Layer w0.2: C26.1@35.8,44.259 X1.2@36.9,44.259 ; X1.4@38.7,45.208 C25.1@39.8,45.208
  Bottom Layer w0.25: U4.13@9.338,51.282 v2(11.188,51.282) U4.3@13.038,51.282 ; v1(35.8,43.57) C26.1@35.8,44.259 ; X1.2@36.9,44.034 X1.4@38.7,45.434
  Bottom Layer w0.3: C14.1@44.525,26.402 ccw(c44.042,26.884) 44.725,26.884 44.725,30.048
  Bottom Layer w0.35: R51.2@14.834,33.334 14.834,34.204 cw(c15.742,34.204) v1(15.1,34.846)
  Bottom Layer w0.4: C20.1@11.801,71.554 v1(11.801,72.289) J3.6@11.801,73.224 ; v1(18.192,45.528) C44.1@18.192,44.702 R44.1@19.019,44.702 ; C37.1@22.946,39.2 v1(22.946,40.3)
  Bottom Layer w0.5: 6.955,46.346 7.885,47.276 ccw(c6.892,48.269) C10.1@8.296,48.269 ; v1(15.1,34.846) C42.1@15.1,35.6 ; v1(23.597,61.002) 23.597,61 J9.2@25.525,61 ; C13.1@51.4,51.81 v1(52.354,51.81)
  other v1: 52.354,30.81 25.525,34.4 17.443,37.45 18.443,37.45 19.443,37.45 17.443,38.45 18.443,38.45 19.443,38.45 17.443,39.45 18.443,39.45 19.443,39.45 12.738,39.7 52.354,41.31 12.738,42.875 24.275,52.1 12.828,54.983 13.828,54.983 14.828,54.983 15.828,54.983 16.828,54.983 12.828,55.983 13.828,55.983 14.828,55.983 15.828,55.983 16.828,55.983 12.828,56.983 13.828,56.983 14.828,56.983 15.828,56.983 16.828,56.983 12.828,57.983 13.828,57.983 14.828,57.983 15.828,57.983 16.828,57.983 12.828,58.983 13.828,58.983 14.828,58.983 15.828,58.983 16.828,58.983 30.275,61 30.975,61
  other v2: 6.162,12.801 9.162,12.801 12.162,12.801 15.162,12.801 18.162,12.801 21.162,12.801 24.162,12.801 27.162,12.801 30.162,12.801 16.662,15.801 19.662,15.801 31.662,15.801 43.662,15.801 6.162,18.801 9.162,18.801 15.162,18.801 18.162,18.801 21.162,18.801 30.162,18.801 7.162,21.801 13.662,21.801 46.662,21.801 3.162,24.801 9.162,24.801 12.162,24.801 21.162,24.801 4.662,27.801 7.662,27.801 10.662,27.801 22.662,27.801 9.162,30.301 12.162,30.801 54.162,30.801 33.162,36.801 54.162,36.801 52.662,39.801 36.162,42.801 39.162,42.801 42.162,42.801 54.162,42.801 4.662,45.801 31.662,45.801 49.662,45.801 51.162,48.801 54.162,48.801 15.162,60.801 36.162,60.801 39.162,60.801 42.162,60.801 54.162,60.801 7.662,63.801 31.662,63.801 34.662,63.801 37.662,63.801 40.662,63.801 43.662,63.801 46.662,63.801 52.662,63.801 30.162,66.801 33.162,66.801 36.162,66.801 39.162,66.801 42.162,66.801 45.162,66.801 48.162,66.801 4.662,69.801 25.662,69.801 28.662,69.801 31.662,69.801 34.662,69.801 40.662,69.801 43.662,69.801 46.662,69.801 49.662,69.801 3.162,72.801 6.162,72.801 24.162,72.801 27.162,72.801 30.162,72.801 7.662,75.801 10.662,75.801 13.662,75.801 6.162,78.801 9.162,78.801 12.162,78.801 7.662,81.801 10.662,81.801 6.162,84.801 8.662,84.801 21.162,84.801 30.162,84.801
IMU_TILT: U5.4 U12.56 | length 3.4
  Top Layer w0.2: U12.56@39.999,51.675 U5.4@39.999,55.055